# Altium PCB cheriot-test.PcbDoc (part 1 of 10) (continued)
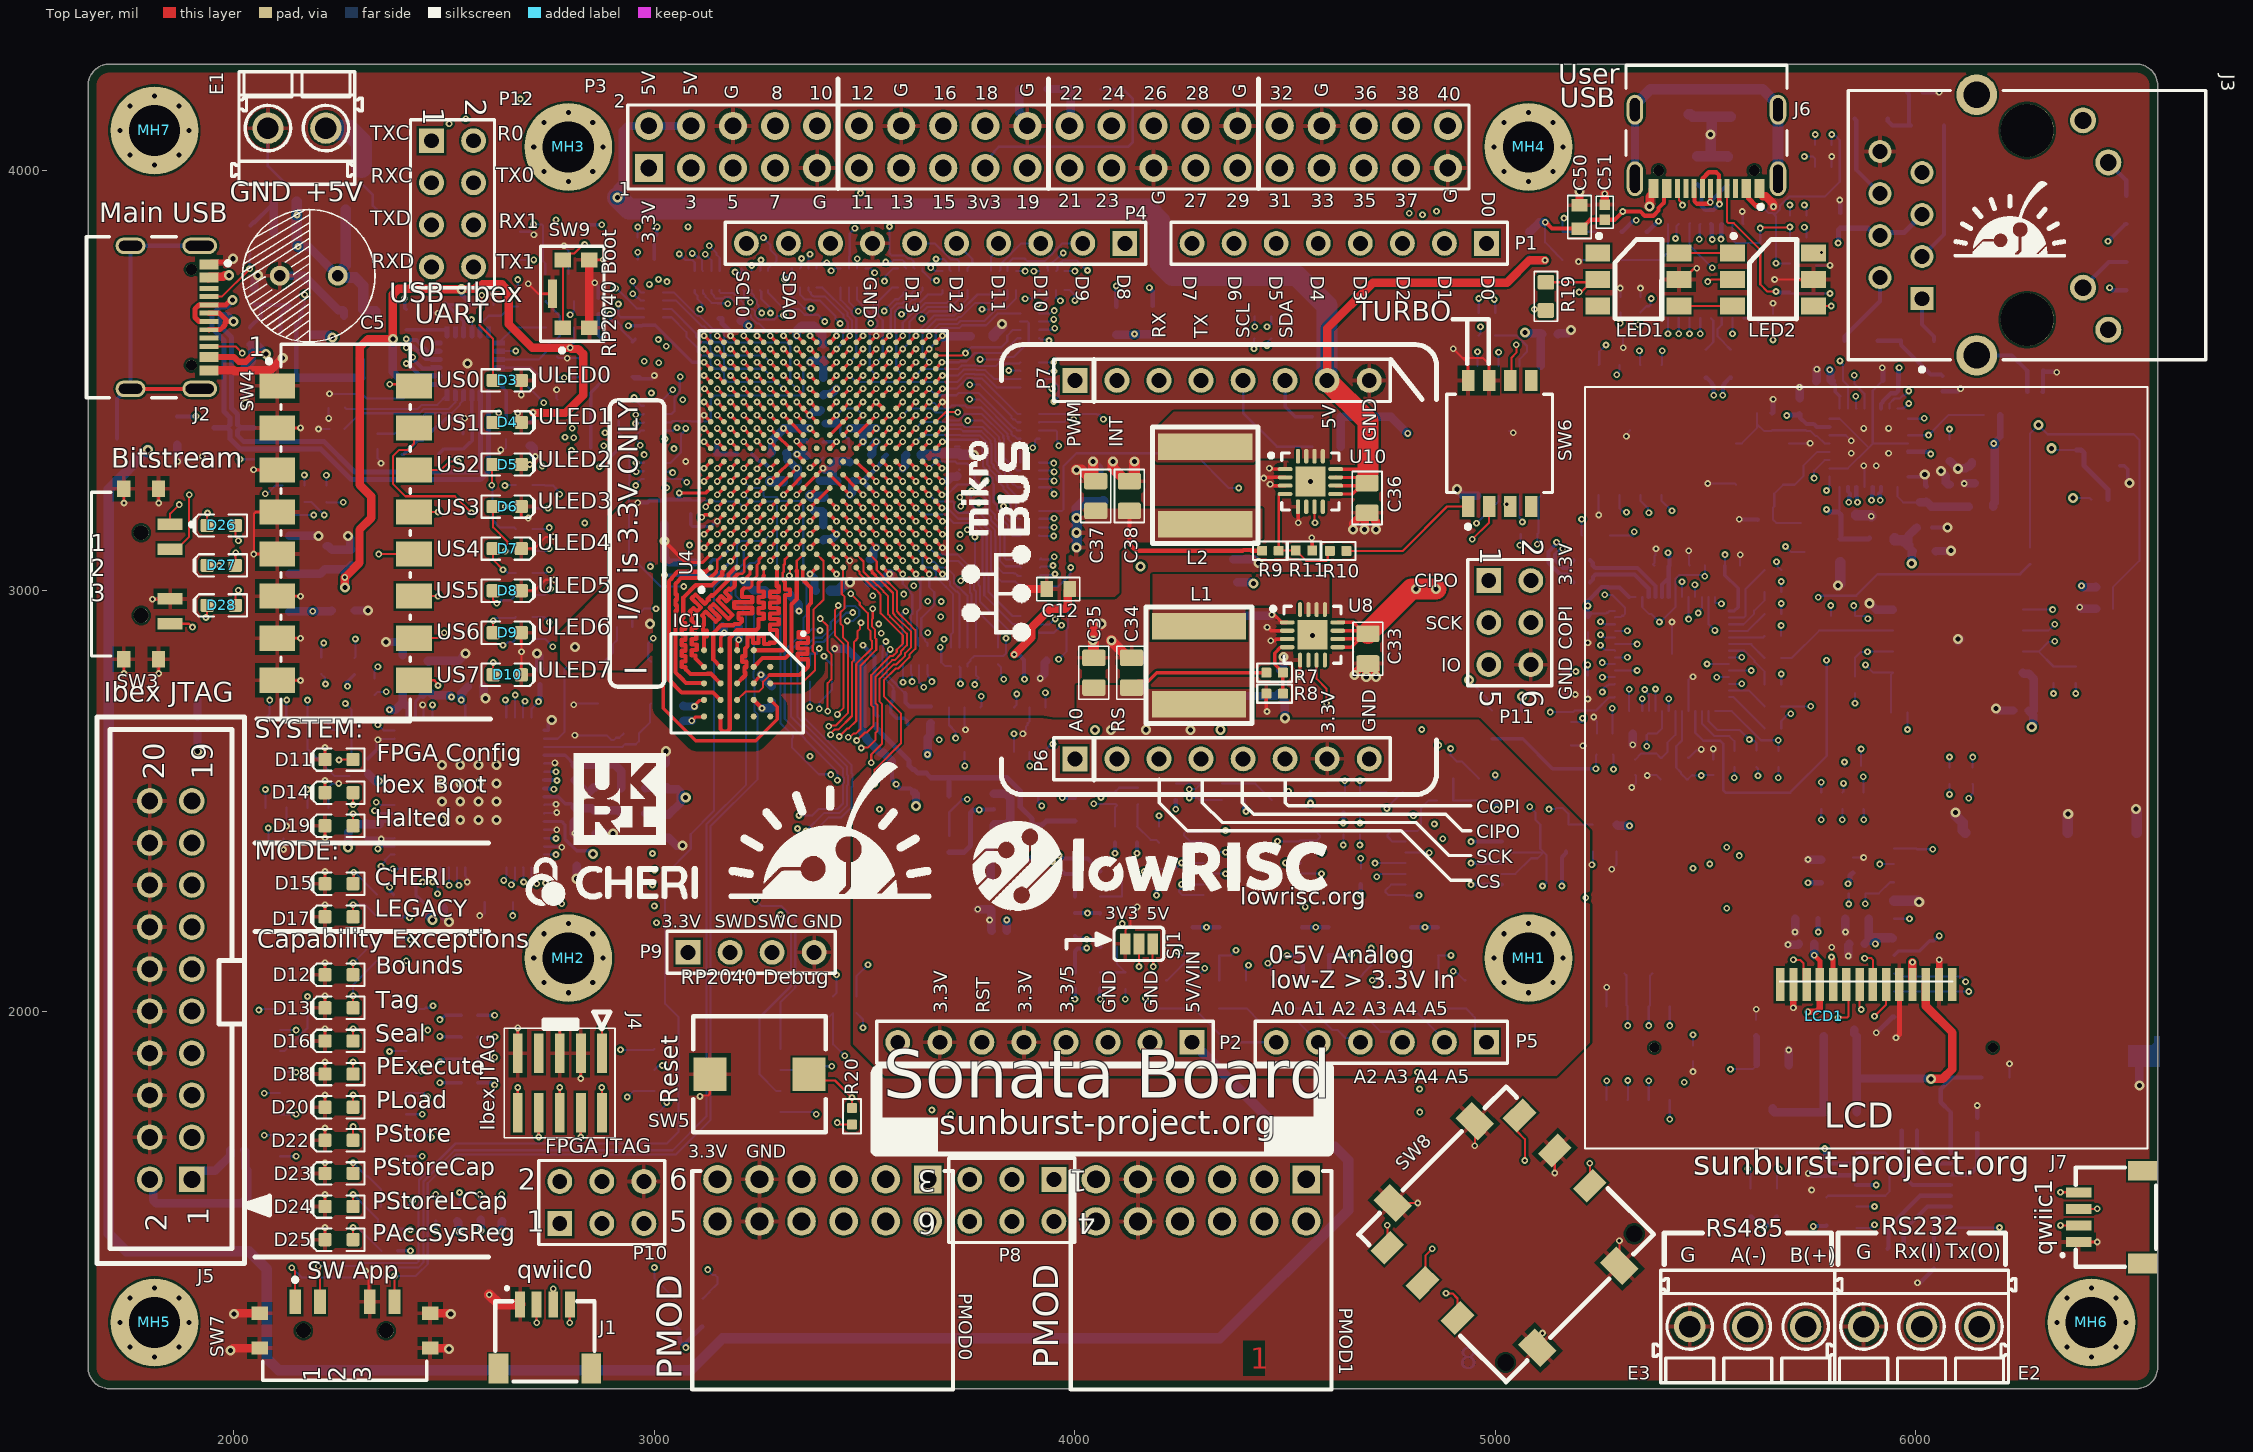
[diagram p0: Top Layer view]
## Components (designator, comment, footprint, x,y, rotation, side; value= is the part's Value field where it differs from the comment) (continued)
R62 "10k" RESC1005X40N#1 4980,3607.22 r0 bottom
R63 "22R" RESC1005X40N#1 5660,2776.95 r180 bottom
R64 "10k" RESC1005X40N#1 4980,3660 r0 bottom
R65 "22R" RESC1005X40N#1 5660,2724.63 r180 bottom
R66 "22R" RESC1005X40N#1 5660,2672.32 r180 bottom
R67 "10k" RESC1005X40N#1 5080,3135.06 r180 bottom
R68 "22R" RESC1005X40N#1 5672.83,2599.68 r90 bottom
R69 "22R" RESC1005X40N#1 5620.51,2600.32 r90 bottom
R70 "22R" RESC1005X40N#1 5568.19,2599.68 r90 bottom
R71 "10k" RESC1005X40N#1 5260,2609.87 r180 bottom
R72 "100k" RESC1608X55N#1 2775,3688.63 r0 bottom
R73 "DNM" RESC1005X40N#1 2409.54,3649.09 r90 bottom
R74 "DNM" RESC1005X40N#1 2675,3695.32 r90 bottom
R75 "100k" RESC1608X55N#1 4217.25,2040 r90 bottom
R76 "150k" RESC1608X55N#1 4280.31,2166.06 r270 bottom
R77 "1k" RESC1608X55N#1 4280.31,2040 r90 bottom
R78 "2k" RESC1005X40N#1 4120,2072.8 r90 bottom
R79 "180R" RESC1005X40N#1 4080,2152.8 r180 bottom
R80 "1k" RESC1005X40N#1 4060,2072.8 r270 bottom
R81 "845R" RESC1005X40N#1 4000,2072.8 r90 bottom
R82 "10R" RESC1608X55N#1 5140,2443.95 r180 bottom
R83 "1k" RESC1608X55N#1 4406.45,2040 r90 bottom
R84 "100k" RESC1608X55N#1 4343.38,2040 r90 bottom
R85 "2k" RESC1005X40N#1 4112.32,2252.8 r90 bottom
R86 "180R" RESC1005X40N#1 4080,2332.8 r180 bottom
R87 "150k" RESC1608X55N#1 4343.38,2166.06 r270 bottom
R88 "1k" RESC1005X40N#1 4060,2252.8 r270 bottom
R89 "1k" RESC1608X55N#1 4480.31,2040 r90 bottom
R90 "845R" RESC1005X40N#1 4000,2253.11 r90 bottom
R91 "100k" RESC1608X55N#1 4543.38,2040 r90 bottom
R92 "2k" RESC1005X40N#1 4200,2420 r270 bottom
R93 "180R" RESC1005X40N#1 4150.13,2511.69 r90 bottom
R94 "150k" RESC1608X55N#1 4540.31,2166.06 r270 bottom
R95 "1k" RESC1005X40N#1 4147.68,2420 r270 bottom
R96 "845R" RESC1005X40N#1 4095.37,2420 r90 bottom
R97 "1k" RESC1608X55N#1 4669.51,2040 r90 bottom
R98 "100k" RESC1608X55N#1 4606.45,2040 r90 bottom
R99 "2k" RESC1005X40N#1 4658.13,2420 r0 bottom
R100 "180R" RESC1005X40N#1 4760,2521.07 r180 bottom
R101 "150k" RESC1608X55N#1 4603.38,2166.54 r270 bottom
R102 "1k" RESC1005X40N#1 4658.13,2472.32 r180 bottom
R103 "845R" RESC1005X40N#1 4580,2520 r0 bottom
R104 "1k" RESC1608X55N#1 4740,2040 r90 bottom
R105 "100k" RESC1608X55N#1 4803.07,2040 r90 bottom
R106 "2k" RESC1005X40N#1 4488.31,2501.86 r180 bottom
R107 "180R" RESC1005X40N#1 4350,2521.54 r270 bottom
R108 "150k" RESC1608X55N#1 4800,2166.06 r270 bottom
R109 "1k" RESC1005X40N#1 4402.32,2521.54 r270 bottom
R110 "845R" RESC1005X40N#1 4240,2521.54 r90 bottom
R111 "1k" RESC1608X55N#1 4929.2,2040 r90 bottom
R112 "100k" RESC1608X55N#1 4866.13,2040 r90 bottom
R113 "2k" RESC1005X40N#1 4880.31,2501.38 r0 bottom
R114 "180R" RESC1005X40N#1 4880,2553.7 r180 bottom
R115 "150k" RESC1608X55N#1 4863.07,2166.06 r270 bottom
R116 "1k" RESC1005X40N#1 4980,2501.38 r0 bottom
R117 "845R" RESC1005X40N#1 4980,2553.7 r180 bottom
R118 "100k" RESC1005X40N#1 2586.61,1523.62 r90 bottom
R119 "100k" RESC1005X40N#1 2480.32,1519.68 r90 bottom
R120 "100k" RESC1005X40N#1 2531.5,1519.68 r90 bottom
R121 "100k" RESC1005X40N#1 2637.8,1519.68 r90 bottom
R122 "0R" RESC1608X55N#1 2881.89,3339.93 r0 bottom
R123 "0R" RESC1608X55N#1 2881.89,3403 r0 bottom
R124 "0R" RESC1608X55N#1 5735,3125 r90 bottom
R125 "2k2" RESC1608X55N#1 3050,1283 r90 bottom
R126 "2k2" RESC1608X55N#1 3114.53,1283 r90 bottom
R127 "2k2" RESC1608X55N#1 5606.93,1545 r90 bottom
R128 "2k2" RESC1608X55N#1 5670,1545 r90 bottom
R129 "2k7" RESC1005X40N#1 1740.16,3413.39 r0 bottom
R130 "75R" RESC2012X70N 5820,1940 r180 bottom
R131 "75R" RESC2012X70N 5820,1760 r180 bottom
R132 "75R" RESC2012X70N 5820,1840 r180 bottom
R133 "10k" RESC1005X40N#1 5620,1960 r90 bottom
R134 "1k" RESC1608X55N#1 4992.13,2681.1 r90 bottom
R135 "100k" RESC1005X40N#1 6283.46,3523.62 r0 bottom
R136 "1k" RESC1608X55N#1 6500,3748.03 r90 bottom
R137 "1k" RESC1608X55N#1 6500,3905.51 r90 bottom
R138 "1k" RESC1005X40N#1 2690.33,3251.13 r180 bottom
R139 "1k" RESC1005X40N#1 2360,2172.32 r180 bottom
R140 "1k" RESC1005X40N#1 2690.33,3198.81 r180 bottom
R141 "1k" RESC1005X40N#1 2360,2120 r180 bottom
R142 "1k" RESC1005X40N#1 2690.33,3146.49 r180 bottom
R143 "1k" RESC1005X40N#1 2560.32,1990 r180 bottom
R144 "1k" RESC1005X40N#1 2690.96,3094.17 r180 bottom
R145 "1k" RESC1005X40N#1 2560,1937.68 r180 bottom
R146 "1k" RESC1005X40N#1 2560.32,1885.37 r180 bottom
R147 "1k" RESC1005X40N#1 2690.33,3041.86 r180 bottom
R148 "1k" RESC1005X40N#1 2560,1830 r180 bottom
R149 "1k" RESC1005X40N#1 2690.33,2989.54 r180 bottom
R150 "1k" RESC1005X40N#1 2370,1534.63 r180 bottom
R151 "1k" RESC1005X40N#1 2690.33,2937.22 r180 bottom
R152 "1k" RESC1005X40N#1 2370,1482.32 r180 bottom
R153 "1k" RESC1005X40N#1 2690.33,2884.91 r0 bottom
R154 "1k" RESC1005X40N#1 2370.32,1430 r180 bottom
R155 "1k" RESC1005X40N#1 2360,2277.16 r180 bottom
R156 "1k" RESC1005X40N#1 2207.86,2821.29 r90 bottom
R157 "1k" RESC1005X40N#1 2360,2224.84 r180 bottom
R158 "1k" RESC1005X40N#1 2286.65,2820 r90 bottom
R159 "1k" RESC1005X40N#1 2334.65,2771.65 r270 bottom
R160 "10k" RESC1005X40N#1 6135,2559.68 r90 bottom
R161 "10k" RESC1005X40N#1 5860,2280 r180 bottom
R162 "10k" RESC1005X40N#1 5850,2582.82 r180 bottom
R163 "10k" RESC1005X40N#1 5775,2500 r270 bottom
R164 "10k" RESC1005X40N#1 5825,2500 r270 bottom
R165 "10k" RESC1005X40N#1 5875,2500 r270 bottom
R166 "10k" RESC1005X40N#1 6080,2560 r90 bottom
R167 "3.01k" RESC1005X40N#1 6080,3340 r90 bottom
R168 "22R" RESC1005X40N#1 4447.2,3652.32 r0 bottom
R169 "22R" RESC1005X40N#1 4447.2,3600 r0 bottom
R170 "33R" 741C083 3871.68,3015.32 r90 bottom
R171 "22R" RESC1005X40N#1 3817.15,2845 r270 bottom
R172 "33R" 741C083 3020.28,3324.37 r270 bottom
R173 "33R" 741C083 3020.28,3439.68 r270 bottom
R174 "33R" 741C083 3020.28,3709.37 r270 bottom
R175 "33R" 741C083 3385.83,3721.08 r180 bottom
R176 "33R" 741C083 3270.38,3714.72 r180 bottom
R177 "33R" 741C083 3501.84,3721.08 r180 bottom
R178 "33R" 741C083 3590.32,2868.14 r0 bottom
R179 "33R" 741C083 3870,3600.32 r90 bottom
R180 "33R" 741C083 3705.63,2865 r0 bottom
R181 "33R" 741C083 3870,3361.24 r90 bottom
R182 "33R" 741C083 3637.99,3721.08 r180 bottom
R183 "33R" 741C083 3870,3483.3 r90 bottom
R184 "33R" 741C083 3870,2900.01 r90 bottom
R185 "33R" 741C083 3870,3130.62 r90 bottom
R186 "22R" RESC1005X40N#1 3425.2,2015.75 r270 bottom
R187 "22R" RESC1005X40N#1 3480.32,2015.75 r270 bottom
R188 "33R" 741C083 3870,3245.93 r90 bottom
R189 "33R" 741C083 3974.99,3714.72 r180 bottom
R190 "33R" 741C083 3859.68,3714.72 r180 bottom
R191 "33R" 741C083 3744.37,3714.72 r180 bottom
R192 "1k" RESC1005X40N#1 6437.01,3216.54 r0 bottom
R193 "DNM" RESC1005X40N#1 6448.82,3007.87 r0 bottom
R194 "33R" 741C083 3155.07,3714.72 r180 bottom
R195 "0R" RESC1005X40N#1 3657.48,2704.72 r90 bottom
R196 "49R9" RESC2012X70N 6003.94,3594.49 r0 bottom
R197 "49R9" RESC2012X70N 5870.08,3594.49 r180 bottom
R198 "49R9" RESC2012X70N 6027.56,4106.3 r0 bottom
R199 "10k" RESC1005X40N#1 2280,2680 r270 bottom
R200 "1k" RESC1005X40N#1 2115.37,3230.57 r90 bottom
R201 "1k" RESC1005X40N#1 2167.68,3230.57 r90 bottom
R202 "1k" RESC1005X40N#1 2220,3230 r90 bottom
R203 "DNM" RESC1005X40N#1 1913.39,2681.1 r90 bottom
R204 "49R9" RESC2012X70N 5893.7,4122.05 r180 bottom
R205 "10k" RESC1005X40N#1 6448.82,2956.69 r180 bottom
R206 "1k8" RESC1608X55N#1 4098.43,3641.73 r270 bottom
R207 "1k8" RESC1608X55N#1 4185.04,3643.7 r270 bottom
R208 "DNM RCHIP" RESC1608X55N#1 4598.43,3342.52 r180 bottom
R209 "DNM RCHIP" RESC1608X55N#1 4598.43,3413.39 r180 bottom
R210 "1k" RESC1005X40N#1 6271.65,3082.68 r270 bottom
R211 "10k" RESC1005X40N#1 6181.1,3417.32 r180 bottom
R212 "10k" RESC1608X55N#1 4027.56,4192.91 r0 bottom
R213 "DNM RCHIP" RESC1608X55N#1 3901.57,4192.91 r0 bottom
SD1 "DM3AT-SF-PEJM5" FP-DM3AT-SF-PEJM5-MFG 6262.2,2155.89 r270 bottom locked
SJ1 "NC" SJ_3S_NC12 4152.43,2160 r0 top
SJ2 "NO" SJ_2S_NO 2007.87,1669.29 r0 bottom
SW1 "218-4LPSTR" FP-218-4LPSTR-MFG 3150,1835 r180 bottom
SW2 "218-8LPST" FP-218-8LPST-MFG 2260,1830 r180 bottom
SW3 "CUS-13TB" FP-CUS-13TB-MFG 1750,3039.37 r270 top
SW4 "1-1825058-9" FP-1-1825058-9-MFG 2265.6,3137 r0 top
SW5 "EVP-ASDC1A" EVPAS 3250,1850 r0 top
SW6 "218-4LPSTR" FP-218-4LPSTR-MFG 5010,3350 r90 top
SW7 "CUS-13TB" FP-CUS-13TB-MFG 2263.78,1210.63 r0 top
SW8 "2425755-1" 2425755-1 5025.53,1469.34 r45 top
SW9 "KMR211GLFS" FP-KMR211GLFS-MFG 2814,3706 r90 top
U1 "PRTR5V0U2AX" SOT143B 2000,3350 r0 bottom
U2 "LD1117S33" SOT-223 2016.9,3040.01 r180 bottom
U3 "ISL83485IBZ-T" SOIC8_NARROW 5339.59,1900 r90 bottom
U4 "XC7A35T-1CSG324C" CSG324 3401.57,3322.83 r90 top locked
U5 "FT4232HQ-Tray" QFN64_2_N 2560,2520 r180 bottom
U6 "KSZ8851SNLI-TR" FP-QFN55-32LD-PL-5-IPC_C 5887.56,3340 r180 bottom
U7 "MAX3221IPWR" PW0016A_L 5970.47,1573.82 r180 bottom
U8 "RT8058" QFN16_50P300X300X100_HS-17M 4565,2895 r0 top
U9 "LD1117S18" SOT-223 4280,2840 r180 bottom
U10 "RT8058" QFN16_50P300X300X100_HS-17M 4560.04,3259.53 r0 top
U11 "SC0914_7_" QFN40P700X700X90-57N-D 5420,2849.36 r180 bottom
U12 "USB2422-I/MJ" FP-24-S4QFN-4x4B-0_5P-MFG 2556.15,3539.84 r0 bottom
U13 "TUSB1106PWR" PW0016A_L 5500,3760 r270 bottom
U14 "REF3012AIDBZT" SOT95P237X112-3N 3564.96,2633.86 r270 bottom
U15 "Linear Voltage Regulator IC  1 Output  300mA TSOT-5" SOT23-5P95_285X145L45X40 3860,2480 r90 bottom
U16 "AT93C46DN-SH-T" FP-C04-057-SN-MFG 2150,2590 r270 bottom
U17 "W25Q256JVEIQ" WSON68_Micron 6100,2880 r0 bottom
U18 "W25Q64JVZEIQ" WSON68_Micron 5320,3381.81 r90 bottom
U19 "W25Q256JVEIQ" WSON68_Micron 5032.53,3380 r90 bottom
U20 "MCP6404T-E/ST" TSSOP-ST14_M 4420,2352.63 r0 bottom
U21 "MCP6404T-E/ST" TSSOP-ST14_M 4900.75,2352.15 r0 bottom
U22 "TVS 824013" SOT95P280X145-6N 3892.51,2669.07 r90 bottom
U23 "TVS 824013" SOT95P280X145-6N 3737.91,2669.07 r90 bottom
X1 "ABM8G-24.000MHZ-4Y-T3" ABM8G 2486.61,3323.9 r180 bottom value=24.000MHz
X2 "ABM10AIG-12.000MHZ-4Z-T3" "2.5x2mm XTAL" 5425.11,2577.05 r180 bottom value=12.000MHz
Y1 "H130B-12.000-16-2525-EXT-TR" "5x3.2MM XTAL" 2929.13,2781.11 r0 bottom value=12.000MHz
Y2 "ASE-25.000MHZ-LC-T" FP-ASE-MFG 2915,3550 r270 bottom
Y3 "H130B-12.000-16-2525-EXT-TR" "5x3.2MM XTAL" 5634.96,3301.15 r180 bottom value=25.000MHz

## Footprints (in the part's own frame and the unit in brackets; to place one, negate y for a bottom-side part, rotate by r counter-clockwise, add the part's x,y. Pads: shape width x height; smd on the part's side, far side on the other; paste and mask are expansions set on the pad)
0.5mm_SMD_Header_5x2 [mm]
  rect 2.4x0.6 smd: 1(0,0) 2(3.6,0) 3(0,-1.27) 4(3.6,-1.27) 5(0,-2.54) 6(3.6,-2.54) 7(0,-3.81) 8(3.6,-3.81) 9(0,-5.08) 10(3.6,-5.08)
  silkscreen extent -2.5,-5.9 5.1,0.8, body extent -1.12,-5.71 4.72,0.64, height 6.11
"2.5x2mm XTAL" [mm]
  rect 0.95x0.8 smd: 1(-0.825,-0.65) 2(0.825,-0.65) 3(0.825,0.65) 4(-0.825,0.65)
  silkscreen extent -1.65,-1.4 1.65,1.4, body extent -1.27,-1 1.27,1, height 0.55
"5x3.2MM XTAL" [mm]
  rect 1.9x1.2 smd: 1(-1.6,-1.25) 2(1.6,-1.25) 3(1.6,1.25) 4(-1.6,1.25)
  silkscreen extent -3.12,-2.45 2.9,2.21
741C083 [mm]
  rect 0.3x0.65 smd: 1A(0,0) 1B(0,1.15) 2A(0.5,0) 2B(0.5,1.15) 3A(1,0) 3B(1,1.15) 4A(1.5,0) 4B(1.5,1.15)
  silkscreen extent -0.7,-0.5 1.9,1.6, body extent -0.24,0.08 1.76,1.08, height 0.5
2425755-1 [mm]
  rect 1.7x1.2 smd: 1(-5.65,4.5) 2(-5.65,1.5) 3(-5.65,-1.5) 4(5.65,4.5) 5(5.65,1.5) 6(5.65,-1.5)
  round 0 hole 1 unplated: MH1(-5.5,-5.45) MH2(5.5,-5.45)
  rect 1.4x1.9 smd: MP1(-3.5,6.175) MP2(3.5,6.175) MP3(3.5,-6.175) MP4(-3.5,-6.175)
  silkscreen extent -6.3,-6.3 6.3,6.3, body extent -6.29,-6.25 6.29,6.25, height 7.26
ABM8G [mm]
  rect 1.4x1.2 smd: 1(0,0) 2(2.2,0) 3(2.2,1.7) 4(0,1.7)
  silkscreen extent -1.52,-1.52 -1.02,-1.02, body extent -0.51,-0.33 2.69,2.16, height 0.99
ADAFRUIT618 [mm]
  rect 2x0.5 smd far side: 1(9.9,22.2) 2(9.9,21.4) 3(9.9,20.6) 4(9.9,19.8) 5(9.9,19) 6(9.9,18.2) 7(9.9,17.4) 8(9.9,16.6) 9(9.9,15.8) 10(9.9,15) 11(9.9,14.2) 12(9.9,13.4) 13(9.9,12.6) 14(9.9,11.8)
  round 0.6 hole 0.6 unplated: MH1(6.1,4.2) MH2(6.1,24.65)
  body extent -0.55,-0.34 46.32,34.34
BGA24C100P5X5_600X800X120 [mm]
  round 0.37 smd: A2(-1,2) A3(0,2) A4(1,2) A5(2,2) B1(-2,1) B2(-1,1) B3(0,1) B4(1,1) B5(2,1) C1(-2,0) C2(-1,0) C3(0,0) C4(1,0) C5(2,0) D1(-2,-1) D2(-1,-1) D3(0,-1) D4(1,-1) D5(2,-1) E1(-2,-2) E2(-1,-2) E3(0,-2) E4(1,-2) E5(2,-2)
  silkscreen extent -3.1,-4 3,4.1, body extent -3,-4 3,4, height 1.2
Cap_16v_680uF [mm]
  round 1.2 hole 0.7: 1(0,0) 2(3.5,0)
  silkscreen extent -2.25,-4 5.75,4, body extent -2.27,-4 5.73,4, height 16
CAPC0402_M [mm] "Chip Capacitor, 2-Leads, Body 0402, IPC Medium Density"
  rect 0.64x0.64 smd mask+0.06: 1(-0.46,0) 2(0.46,0)
  silkscreen extent -0.97,-0.51 0.97,0.51, body extent -0.55,-0.3 0.55,0.3, height 0.6
CAPC0603_M [mm]
  rect 0.75x0.95 smd: 1(-0.7,0) 2(0.7,0)
  silkscreen extent -1.3,-0.7 1.3,0.7, body extent -0.85,-0.45 0.85,0.45, height 0.9
CAPC0805_M [mm] "Chip Capacitor, Body 2.0x1.2mm, EIA 0805, IPC Medium Density"
  round 0.254 on Mech15: 0(0,0)
  rrect25% 1x1.4 smd: 1(-0.9,0) 2(0.9,0)
  Top Layer pour cut-out: -0.675,0.7 0.675,0.7 0.675,-0.7 -0.675,-0.7
  silkscreen extent -1.6,-0.9 1.6,0.9, body extent -1.1,-0.72 1.1,0.73, height 1.34
CONN_10x2_SHROUDED_2.54mm [mm] "2x10 Pins,  2.54mm Pitch, Male"
  rect 1.55x1.55 hole 1.02: 1(0,0)
  round 1.55 hole 1.02: 2(0,2.54) 3(2.54,0) 4(2.54,2.54) 5(5.08,0) 6(5.08,2.54) 7(7.62,0) 8(7.62,2.54) 9(10.16,0) 10(10.16,2.54) 11(12.7,0) 12(12.7,2.54) 13(15.24,0) 14(15.24,2.54) 15(17.78,0) 16(17.78,2.54) 17(20.32,0) 18(20.32,2.54) 19(22.86,0) 20(22.86,2.54)
  silkscreen extent -5.08,-4.7 27.94,5.72, body extent -5.08,-3.17 27.94,5.72, height 9.28
CSG324 [mm] "BGA, 324-Balls, Body 15x15mm, Pitch 0.8mm"
  round 0.35 smd: A1(-6.8,6.8) A2(-6,6.8) A3(-5.2,6.8) A4(-4.4,6.8) A5(-3.6,6.8) A6(-2.8,6.8) A7(-2,6.8) A8(-1.2,6.8) A9(-0.4,6.8) A10(0.4,6.8) A11(1.2,6.8) A12(2,6.8) A13(2.8,6.8) A14(3.6,6.8) A15(4.4,6.8) A16(5.2,6.8) A17(6,6.8) A18(6.8,6.8) B1(-6.8,6) B2(-6,6) B3(-5.2,6) B4(-4.4,6) B5(-3.6,6) B6(-2.8,6) B7(-2,6) B8(-1.2,6) B9(-0.4,6) B10(0.4,6) B11(1.2,6) B12(2,6) B13(2.8,6) B14(3.6,6) B15(4.4,6) B16(5.2,6) B17(6,6) B18(6.8,6) C1(-6.8,5.2) C2(-6,5.2) C3(-5.2,5.2) C4(-4.4,5.2) C5(-3.6,5.2) C6(-2.8,5.2) C7(-2,5.2) C8(-1.2,5.2) C9(-0.4,5.2) C10(0.4,5.2) C11(1.2,5.2) C12(2,5.2) C13(2.8,5.2) C14(3.6,5.2) C15(4.4,5.2) C16(5.2,5.2) C17(6,5.2) C18(6.8,5.2) D1(-6.8,4.4) D2(-6,4.4) D3(-5.2,4.4) D4(-4.4,4.4) D5(-3.6,4.4) D6(-2.8,4.4) D7(-2,4.4) D8(-1.2,4.4) D9(-0.4,4.4) D10(0.4,4.4) D11(1.2,4.4) D12(2,4.4) D13(2.8,4.4) D14(3.6,4.4) D15(4.4,4.4) D16(5.2,4.4) D17(6,4.4) D18(6.8,4.4) E1(-6.8,3.6) E2(-6,3.6) E3(-5.2,3.6) E4(-4.4,3.6) E5(-3.6,3.6) E6(-2.8,3.6) E7(-2,3.6) E8(-1.2,3.6) E9(-0.4,3.6) E10(0.4,3.6) E11(1.2,3.6) E12(2,3.6) E13(2.8,3.6) E14(3.6,3.6) E15(4.4,3.6) E16(5.2,3.6) E17(6,3.6) E18(6.8,3.6) F1(-6.8,2.8) F2(-6,2.8) F3(-5.2,2.8) F4(-4.4,2.8) F5(-3.6,2.8) F6(-2.8,2.8) F7(-2,2.8) F8(-1.2,2.8) F9(-0.4,2.8) F10(0.4,2.8) F11(1.2,2.8) F12(2,2.8) F13(2.8,2.8) F14(3.6,2.8) F15(4.4,2.8) F16(5.2,2.8) F17(6,2.8) F18(6.8,2.8) G1(-6.8,2) G2(-6,2) G3(-5.2,2) G4(-4.4,2) G5(-3.6,2) G6(-2.8,2) G7(-2,2) G8(-1.2,2) G9(-0.4,2) G10(0.4,2) G11(1.2,2) G12(2,2) G13(2.8,2) G14(3.6,2) G15(4.4,2) G16(5.2,2) G17(6,2) G18(6.8,2) H1(-6.8,1.2) H2(-6,1.2) H3(-5.2,1.2) H4(-4.4,1.2) H5(-3.6,1.2) H6(-2.8,1.2) H7(-2,1.2) H8(-1.2,1.2) H9(-0.4,1.2) H10(0.4,1.2) H11(1.2,1.2) H12(2,1.2) H13(2.8,1.2) H14(3.6,1.2) H15(4.4,1.2) H16(5.2,1.2) H17(6,1.2) H18(6.8,1.2) J1(-6.8,0.4) J2(-6,0.4) J3(-5.2,0.4) J4(-4.4,0.4) J5(-3.6,0.4) J6(-2.8,0.4) J7(-2,0.4) J8(-1.2,0.4) J9(-0.4,0.4) J10(0.4,0.4) J11(1.2,0.4) J12(2,0.4) J13(2.8,0.4) J14(3.6,0.4) J15(4.4,0.4) J16(5.2,0.4) J17(6,0.4) J18(6.8,0.4) K1(-6.8,-0.4) K2(-6,-0.4) K3(-5.2,-0.4) K4(-4.4,-0.4) K5(-3.6,-0.4) K6(-2.8,-0.4) K7(-2,-0.4) K8(-1.2,-0.4) K9(-0.4,-0.4) K10(0.4,-0.4) K11(1.2,-0.4) K12(2,-0.4) K13(2.8,-0.4) K14(3.6,-0.4) K15(4.4,-0.4) K16(5.2,-0.4) K17(6,-0.4) K18(6.8,-0.4) L1(-6.8,-1.2) L2(-6,-1.2) L3(-5.2,-1.2) L4(-4.4,-1.2) L5(-3.6,-1.2) L6(-2.8,-1.2) L7(-2,-1.2) L8(-1.2,-1.2) L9(-0.4,-1.2) L10(0.4,-1.2) L11(1.2,-1.2) L12(2,-1.2) L13(2.8,-1.2) L14(3.6,-1.2) L15(4.4,-1.2) L16(5.2,-1.2) L17(6,-1.2) L18(6.8,-1.2) M1(-6.8,-2) M2(-6,-2) M3(-5.2,-2) M4(-4.4,-2) M5(-3.6,-2) M6(-2.8,-2) M7(-2,-2) M8(-1.2,-2) M9(-0.4,-2) M10(0.4,-2) M11(1.2,-2) M12(2,-2) M13(2.8,-2) M14(3.6,-2) M15(4.4,-2) M16(5.2,-2) M17(6,-2) M18(6.8,-2) N1(-6.8,-2.8) N2(-6,-2.8) N3(-5.2,-2.8) N4(-4.4,-2.8) N5(-3.6,-2.8) N6(-2.8,-2.8) N7(-2,-2.8) N8(-1.2,-2.8) N9(-0.4,-2.8) N10(0.4,-2.8) N11(1.2,-2.8) N12(2,-2.8) N13(2.8,-2.8) N14(3.6,-2.8) N15(4.4,-2.8) N16(5.2,-2.8) N17(6,-2.8) N18(6.8,-2.8) P1(-6.8,-3.6) P2(-6,-3.6) P3(-5.2,-3.6) P4(-4.4,-3.6) P5(-3.6,-3.6) P6(-2.8,-3.6) P7(-2,-3.6) P8(-1.2,-3.6) P9(-0.4,-3.6) P10(0.4,-3.6) P11(1.2,-3.6) P12(2,-3.6) P13(2.8,-3.6) P14(3.6,-3.6) P15(4.4,-3.6) P16(5.2,-3.6) P17(6,-3.6) P18(6.8,-3.6) R1(-6.8,-4.4) R2(-6,-4.4) R3(-5.2,-4.4) R4(-4.4,-4.4) R5(-3.6,-4.4) R6(-2.8,-4.4) R7(-2,-4.4) R8(-1.2,-4.4) R9(-0.4,-4.4) R10(0.4,-4.4) R11(1.2,-4.4) R12(2,-4.4) R13(2.8,-4.4) R14(3.6,-4.4) R15(4.4,-4.4) R16(5.2,-4.4) R17(6,-4.4) R18(6.8,-4.4) T1(-6.8,-5.2) T2(-6,-5.2) T3(-5.2,-5.2) T4(-4.4,-5.2) T5(-3.6,-5.2) T6(-2.8,-5.2) T7(-2,-5.2) T8(-1.2,-5.2) T9(-0.4,-5.2) T10(0.4,-5.2) T11(1.2,-5.2) T12(2,-5.2) T13(2.8,-5.2) T14(3.6,-5.2) T15(4.4,-5.2) T16(5.2,-5.2) T17(6,-5.2) T18(6.8,-5.2) U1(-6.8,-6) U2(-6,-6) U3(-5.2,-6) U4(-4.4,-6) U5(-3.6,-6) U6(-2.8,-6) U7(-2,-6) U8(-1.2,-6) U9(-0.4,-6) U10(0.4,-6) U11(1.2,-6) U12(2,-6) U13(2.8,-6) U14(3.6,-6) U15(4.4,-6) U16(5.2,-6) U17(6,-6) U18(6.8,-6) V1(-6.8,-6.8) V2(-6,-6.8) V3(-5.2,-6.8) V4(-4.4,-6.8) V5(-3.6,-6.8) V6(-2.8,-6.8) V7(-2,-6.8) V8(-1.2,-6.8) V9(-0.4,-6.8) V10(0.4,-6.8) V11(1.2,-6.8) V12(2,-6.8) V13(2.8,-6.8) V14(3.6,-6.8) V15(4.4,-6.8) V16(5.2,-6.8) V17(6,-6.8) V18(6.8,-6.8)
  silkscreen extent -8.27,-7.5 7.5,7.5, body extent -7.5,-7.5 7.5,7.5, height 1.5
EVPAS [mm]
  rect 2x2 smd: 1(-3,0) 2(3,0)
  silkscreen extent -4,-3.5 4,3.5, body extent -3.5,-3.05 3.5,3.05, height 5
FP-1-1825058-9-MFG [mm]
  rect 2.16x1.52 smd paste+0 mask+0: 1(-4.13,8.89) 2(-4.13,6.35) 3(-4.13,3.81) 4(-4.13,1.27) 5(-4.13,-1.27) 6(-4.13,-3.81) 7(-4.13,-6.35) 8(-4.13,-8.89) 9(4.13,-8.89) 10(4.13,-6.35) 11(4.13,-3.81) 12(4.13,-1.27) 13(4.13,1.27) 14(4.13,3.81) 15(4.13,6.35) 16(4.13,8.89)
  silkscreen extent -4.75,-11.4 3.9,11.4, body extent -5.31,-11.5 5.31,11.5, height 0.25